# Altium PCB PCB_SAMARUC_7.PcbDoc (part 3 of 3)
Units mil, origin at the board's own origin, x right, y up, seen from the top; angles counter-clockwise.
Board outline 3000 x 2475 mil, 6 copper layers (Top (S1), GND1, PWR, S2, GND2, Bottom (S3)), stack 62.312 mil thick; 203 components, 120 nets, 721 pads, 351 vias.
Unrouted connection lines stored in the file: 139.
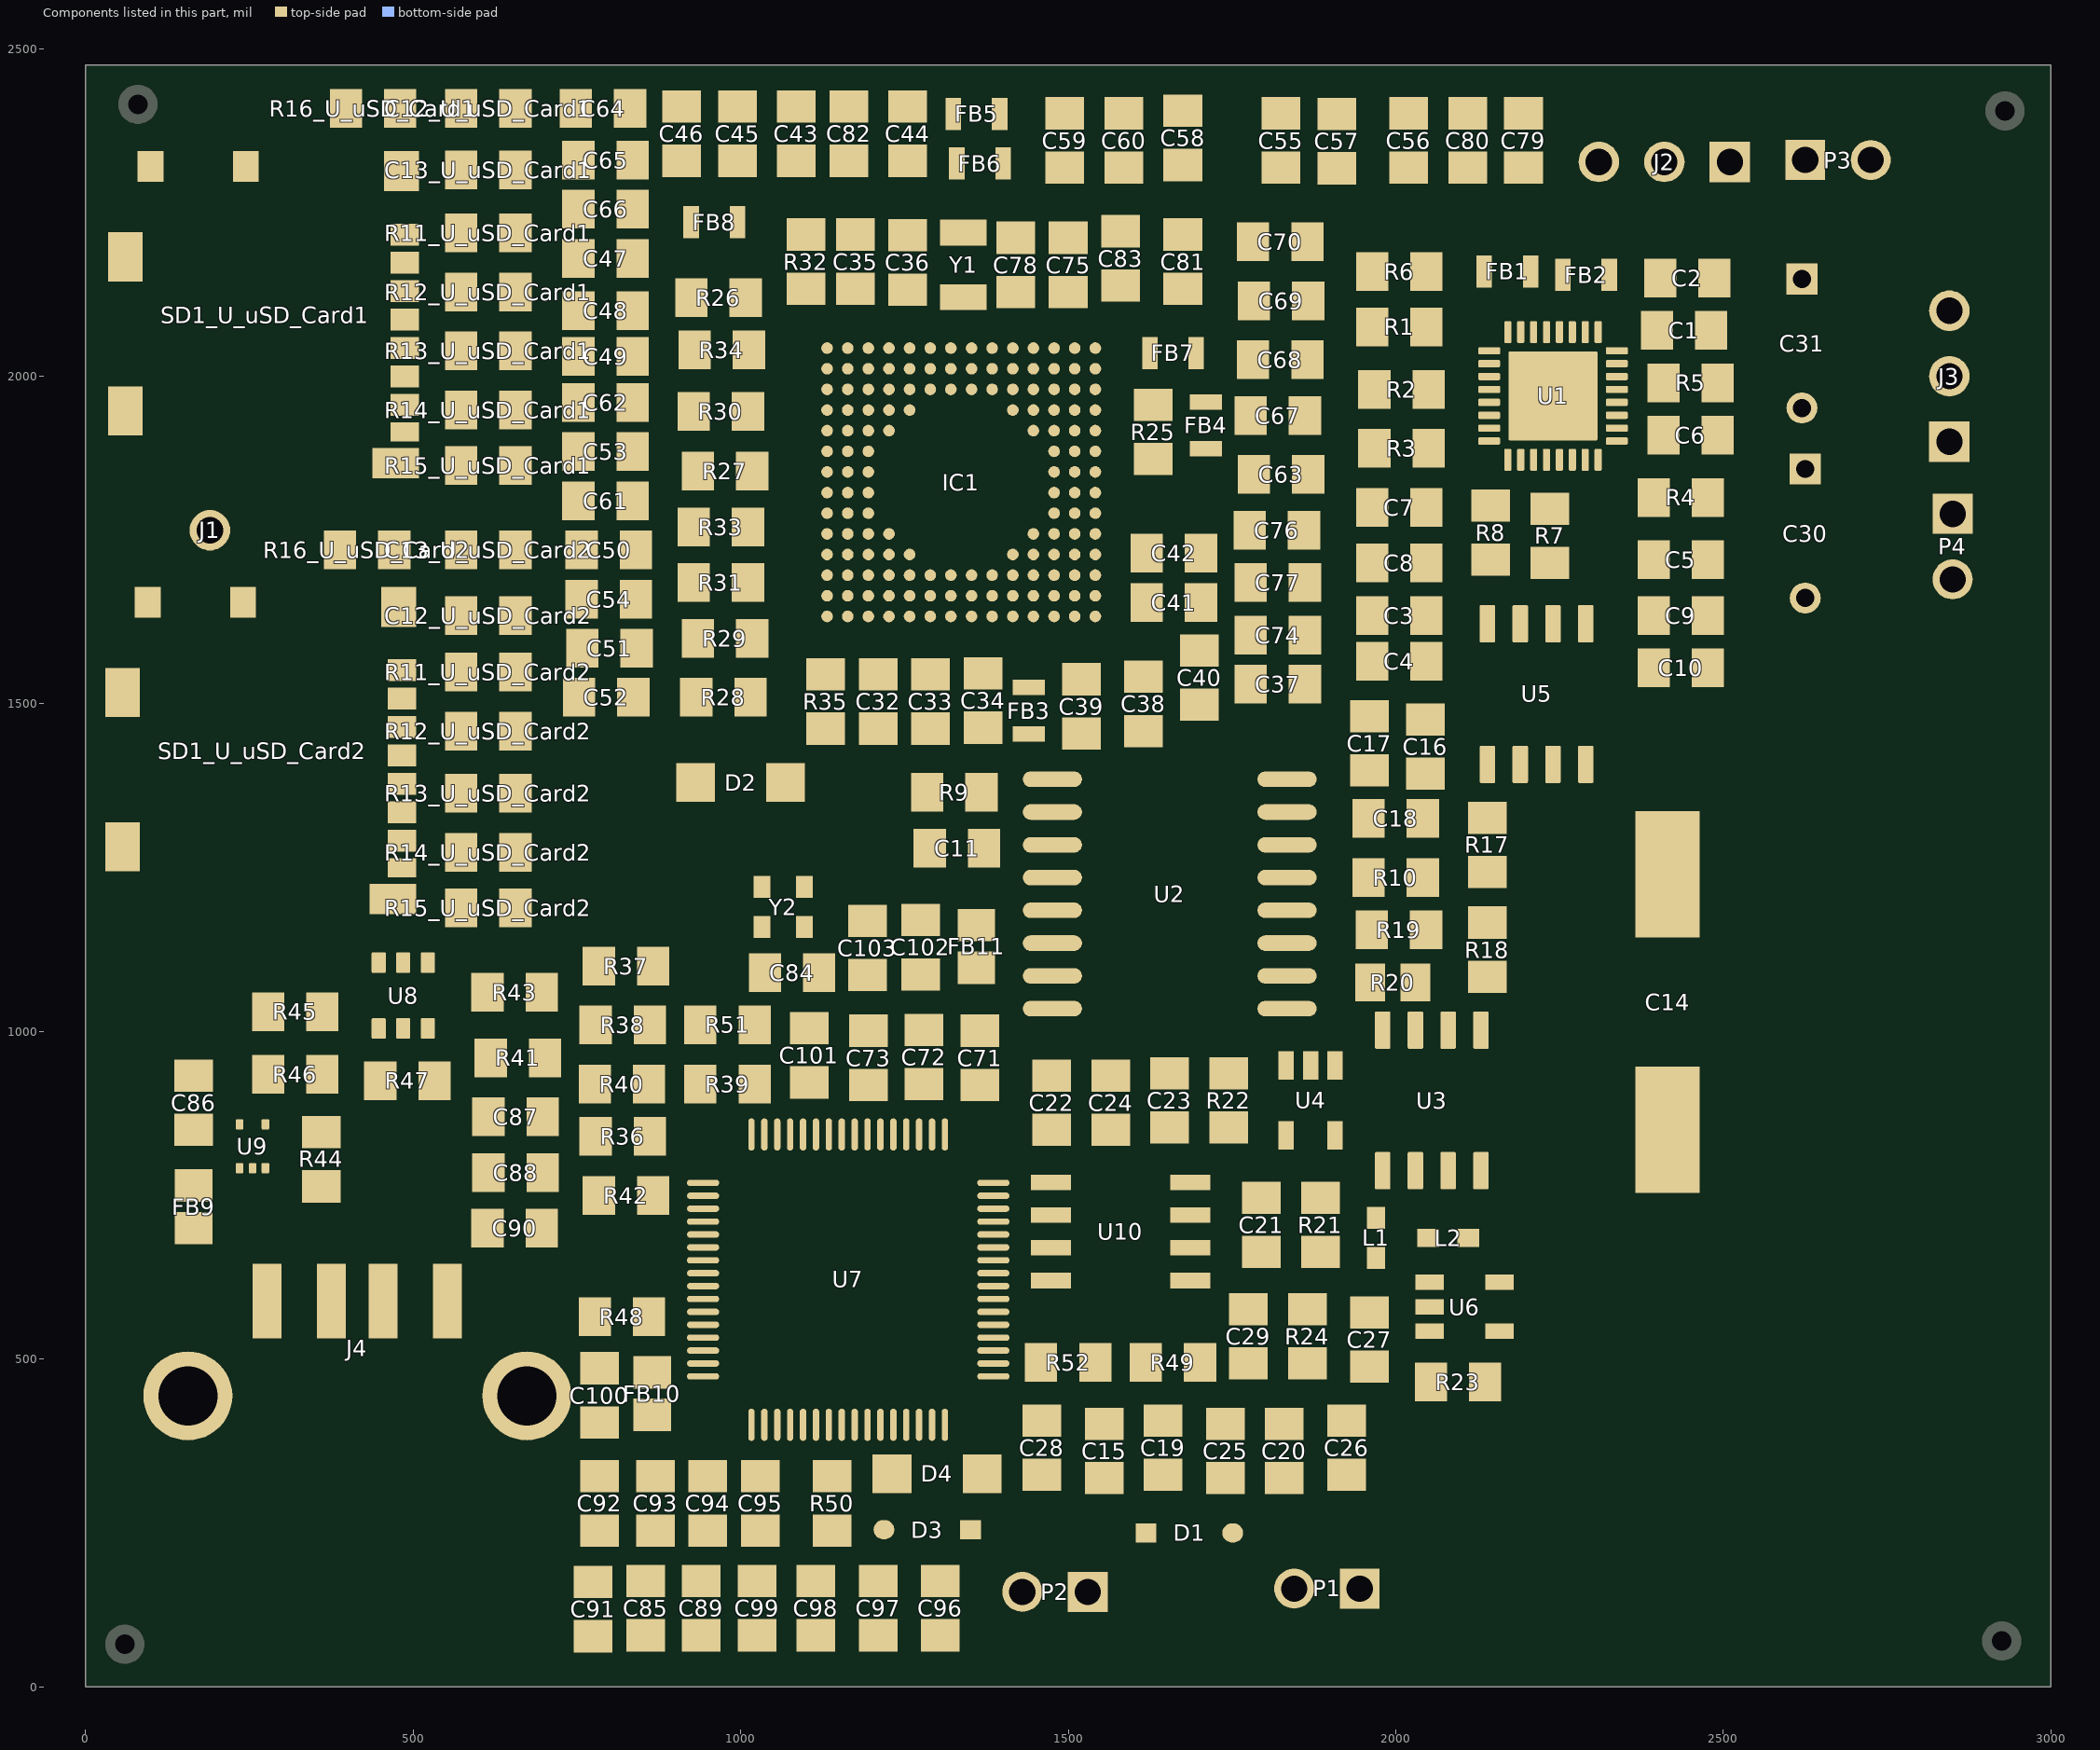
[diagram p7: the components of this part, seen from the top]

## Polygon pours and split planes (outlines as drawn) (continued)
VCC_3V3 on PWR "VCC_3V3_L03_P010" (solid, pour order 10): 5,2455 2970,2455 2970,1520 2905,1455 1805,1455 1805,1470 1245,2030 1205,2030 1185,2010 1185,1965 1375,1775 1375,1645 1465,1555 1465,1390 1880,1390 1885,1395 2055,1225 2305,1225 2470,1060 2450,1040 2450,30 45,30 45,610 1900,610 1955,665 1720,900 1460,900 1390,970 1140,970 1110,940 1130,920 1130,870 1325,870 1460,735 1705,735 1705,610 45,610 5,940 5,1275
VCC_1V8 on PWR "VCC_1V8_L03_P009" (solid, pour order 9): 1150,960 1150,915 1175,890 1185,900 1365,900 1365,880 1440,805 1735,805 1755,785 1755,630 1760,630 1785,605 1885,605 1885,620 1930,665 1740,855 1740,890 1460,890 1385,965 1380,960
VCC_1V3 on PWR "VCC_1V3_L03_P007" (solid, pour order 7): 1240,2040 1235,2040 1195,2000 1210,1985 1210,1980 1390,1800 1390,1670 1480,1580 1480,1435 1485,1430 1895,1430 1905,1420 1905,1385 1930,1360 2065,1360 2065,1350 2140,1275 2485,1275 2485,1410 2445,1450 1790,1450 1260,1980 1275,1995 1275,2015 1265,2015